# Altium PCB Board.PcbDoc (part 15 of 15)
Units mil, origin at the board's own origin, x right, y up, seen from the top; angles counter-clockwise.
Board outline 6379.64 x 4143.89 mil, 4 copper layers (Top Layer, GND, VCC, Bottom Layer); 316 components, 199 nets, 1077 pads, 596 vias.
Unrouted connection lines stored in the file: 268.
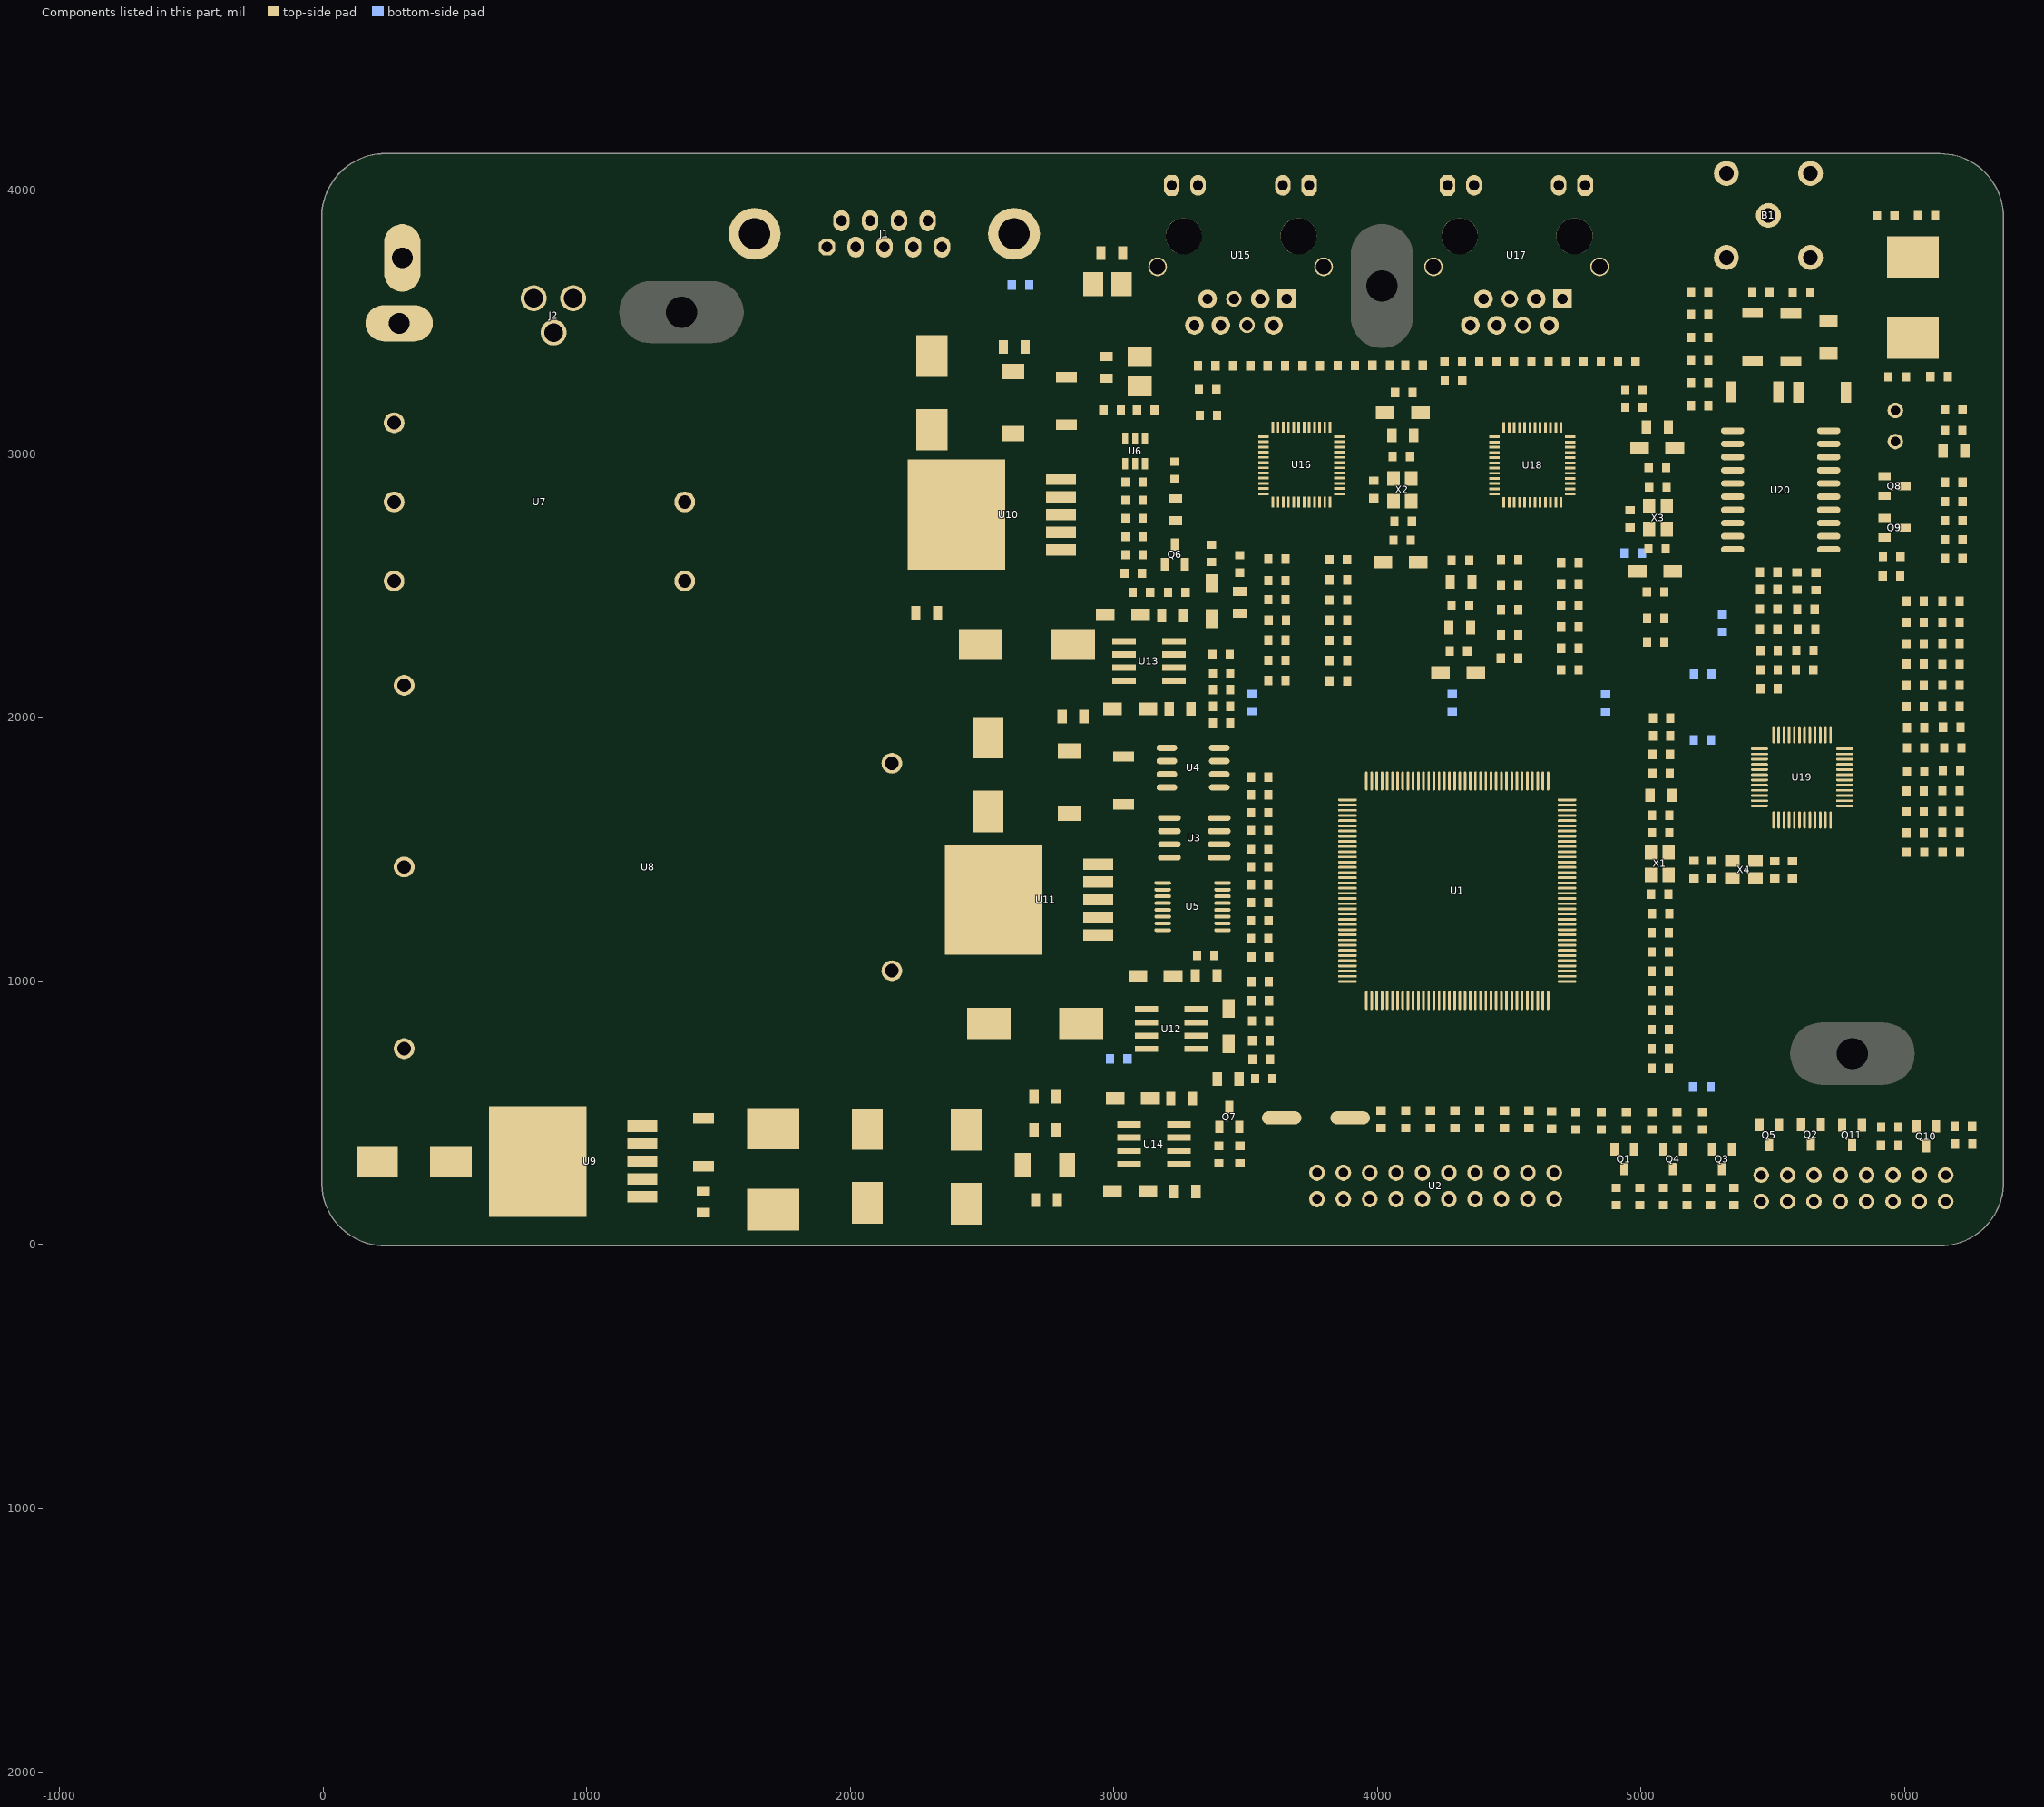
[diagram p16: the components of this part, seen from the top]

## Polygon pours and split planes (outlines as drawn) (continued)
no net on VCC "GND" (solid, remove dead copper, pour order 12): 2643.6,4133.86 4968.6,4133.86 4968.6,2364.99 5232.06,2364.99 5232.6,2364.45 5231.47,2363.32 5231.47,2053.65 2648.4,2053.65 2642.6,2059.45
no net on VCC "GND" (solid, remove dead copper, pour order 10): 3018.6,2055.45 3020.4,2053.65 5231.47,2053.65 5231.47,-2.42 5231.6,-2.55 5229.6,-0.55 3017.6,-0.55
no net on VCC "GND" (solid, remove dead copper, pour order 8): 5231.6,2360.45 6373.6,2360.45 6382.6,2360.45 6384.6,2358.45 6385.6,2357.45 6385.6,-9.55 5240.15,-9.55 5230.6,0
no net on VCC "GND" (solid, remove dead copper, pour order 4): 4969.6,4133.86 4970.01,4133.45 6148.6,4133.45 6363.6,4133.45 6452.6,4044.45 6411.6,4003.45 6411.6,2360.45 6370.6,2360.45 6369.6,2361.45 4968.6,2361.45
no net on GND "GND" (solid, remove dead copper, pour order 16): -218.4,4447.45 -24.4,4641.45 7398.6,4641.45 7398.6,571.45 6551.6,-275.55 6539.6,-287.55 -399.4,-287.55
no net on Top Layer "GND" (solid, remove dead copper, pour order 18): -270.4,4569.45 7357.6,4569.45 7370.6,4556.45 6934.6,4120.45 6934.6,-250.55 -28.4,-250.55 -137.4,-359.55
no net on Bottom Layer "GND" (solid, remove dead copper, pour order 20): -527.4,4494.45 -387.4,4634.45 7340.6,4634.45 7340.6,209.45 6780.6,-350.55 6720.6,-290.55 -377.4,-290.55

## Keep-outs
Keep-Out Layer:
  lines w8: 0,238 0,240 ; 1310.85,4133.86 1310.85,3777.48 ccw(c1389.59,3777.48) 1389.59,3698.74 1574.11,3698.74 cw(c1574.11,3620) 1652.85,3620 1652.85,2416.74 ccw(c1731.59,2416.74) 1731.59,2338 2262.11,2338 cw(c2262.11,2259.26) 2340.85,2259.26 ; 2340.85,3 2340.85,2262.26
  lines w10: 0,226.45 0,3924.45 ; 0,236.22 ccw(c236.22,236.22) 236.22,0 ; 0,3897.64 cw(c236.22,3897.64) 236.22,4133.86 ; 222.6,4133.86 6133.39,4133.86 cw(c6133.39,3897.64) 6369.61,3897.64 ; 237.6,0 6133.39,0 ccw(c6133.39,236.22) 6369.61,236.22 ; 6369.6,225.45 6369.6,3909.45

## Other copper
Top Layer:
  rectangle net GND: 1791.6,3803.45 1849.6,3864.75
  rectangle net GND: 2326.6,2535.45 2578.6,3005.45
  rectangle net GND: 2330.6,1093.45 2742.6,1578.45
  rectangle net GND: 2863.6,295.32 3003.33,437.45
  rectangle net GND: 606.6,89.45 1086.6,543.45
  rectangle net GND: 2867.6,308.45 2989.6,422.45
VCC:
  rectangle net VCC-3.3: 2880.2,2076.45 2985.6,2177.45
  rectangle net VDD3.3: 3172.6,624.45 3286.6,699.45
  rectangle net VDD-3.3: 6225.6,128.45 6318.6,233.45
  rectangle net AFE_VCC: 5041.6,3877.45 5191.6,3990.45
Bottom Layer:
  rectangle net GND: 2829.6,281.45 3029.6,450.45
  rectangle net GND: 592.6,176.45 1068.6,537.45
  rectangle net GND: 2320.6,1110.45 2720.6,1462.45
  rectangle net GND: 2315.6,2152.45 2533.6,2872.45
  rectangle net GND: 2859.6,302.45 2994.6,426.45
  rectangle net GND: 644.6,191.45 1027.6,545.45
  rectangle net GND: 2319.6,1123.45 2684.6,1433.45
  rectangle net GND: 2291.6,2582.45 2533.6,2916.45
  rectangle net GND: 2290.6,2646.45 2521.6,2855.45
  rectangle net GND: 2443.6,1187.45 2674.6,1396.45
  rectangle net GND: 763.6,237.45 994.6,446.45

## Silkscreen, mask and mechanical layers (free items; w line width, h text height)
Top Overlay:
  lines w8: 458,-169 458,714 ; 1386,-227 1386,785 ; 3335,1 3335,305
  lines w10: 1315.6,3757.45 1405.6,3757.45 ; 1335.6,3772.45 1385.6,3772.45 ; 1350.6,3787.45 1370.6,3787.45 ; 1360.6,3656.45 1360.6,3752.45 ; 3969.6,3977.45 4059.6,3977.45 ; 3989.6,3992.45 4039.6,3992.45 ; 4004.6,4007.45 4024.6,4007.45 ; 4014.6,3876.45 4014.6,3972.45 ; 5435.6,709.45 5435.6,729.45 ; 5450.6,694.45 5450.6,744.45 ; 5465.6,674.45 5465.6,764.45 ; 5470.6,719.45 5566.6,719.45
Top Solder:
  lines w10: 5411.76,980.45 ccw(c5483.6,980.45) 5483.6,908.61 6124.6,908.61 ccw(c6124.6,980.45) 6196.44,980.45 6196.44,1142.61 ccw(c6124.6,1142.61) 6124.6,1214.45 5483.6,1214.45 ccw(c5483.6,1142.61) 5411.76,1142.61 5411.76,980.45
  text "AC" at 1606.3,3341.45 h100
  text "DC" at 1980.6,3341.45 h100
  text "载波通信第二版" at 5462.6,1089.45 h100
  text "2015年12月1日" at 5495.6,964.45 h100

## Text inside footprints (layer, text, board x,y; h text height)
J1: Top Overlay "9" at 2369.79,3854.45 h50; Top Overlay "5" at 2389.79,3754.45 h50; Top Overlay "1" at 1849.79,3754.45 h50; Top Overlay "6" at 1849.79,3854.45 h50